# Altium PCB H204_.PcbDoc (part 1 of 4) (continued)
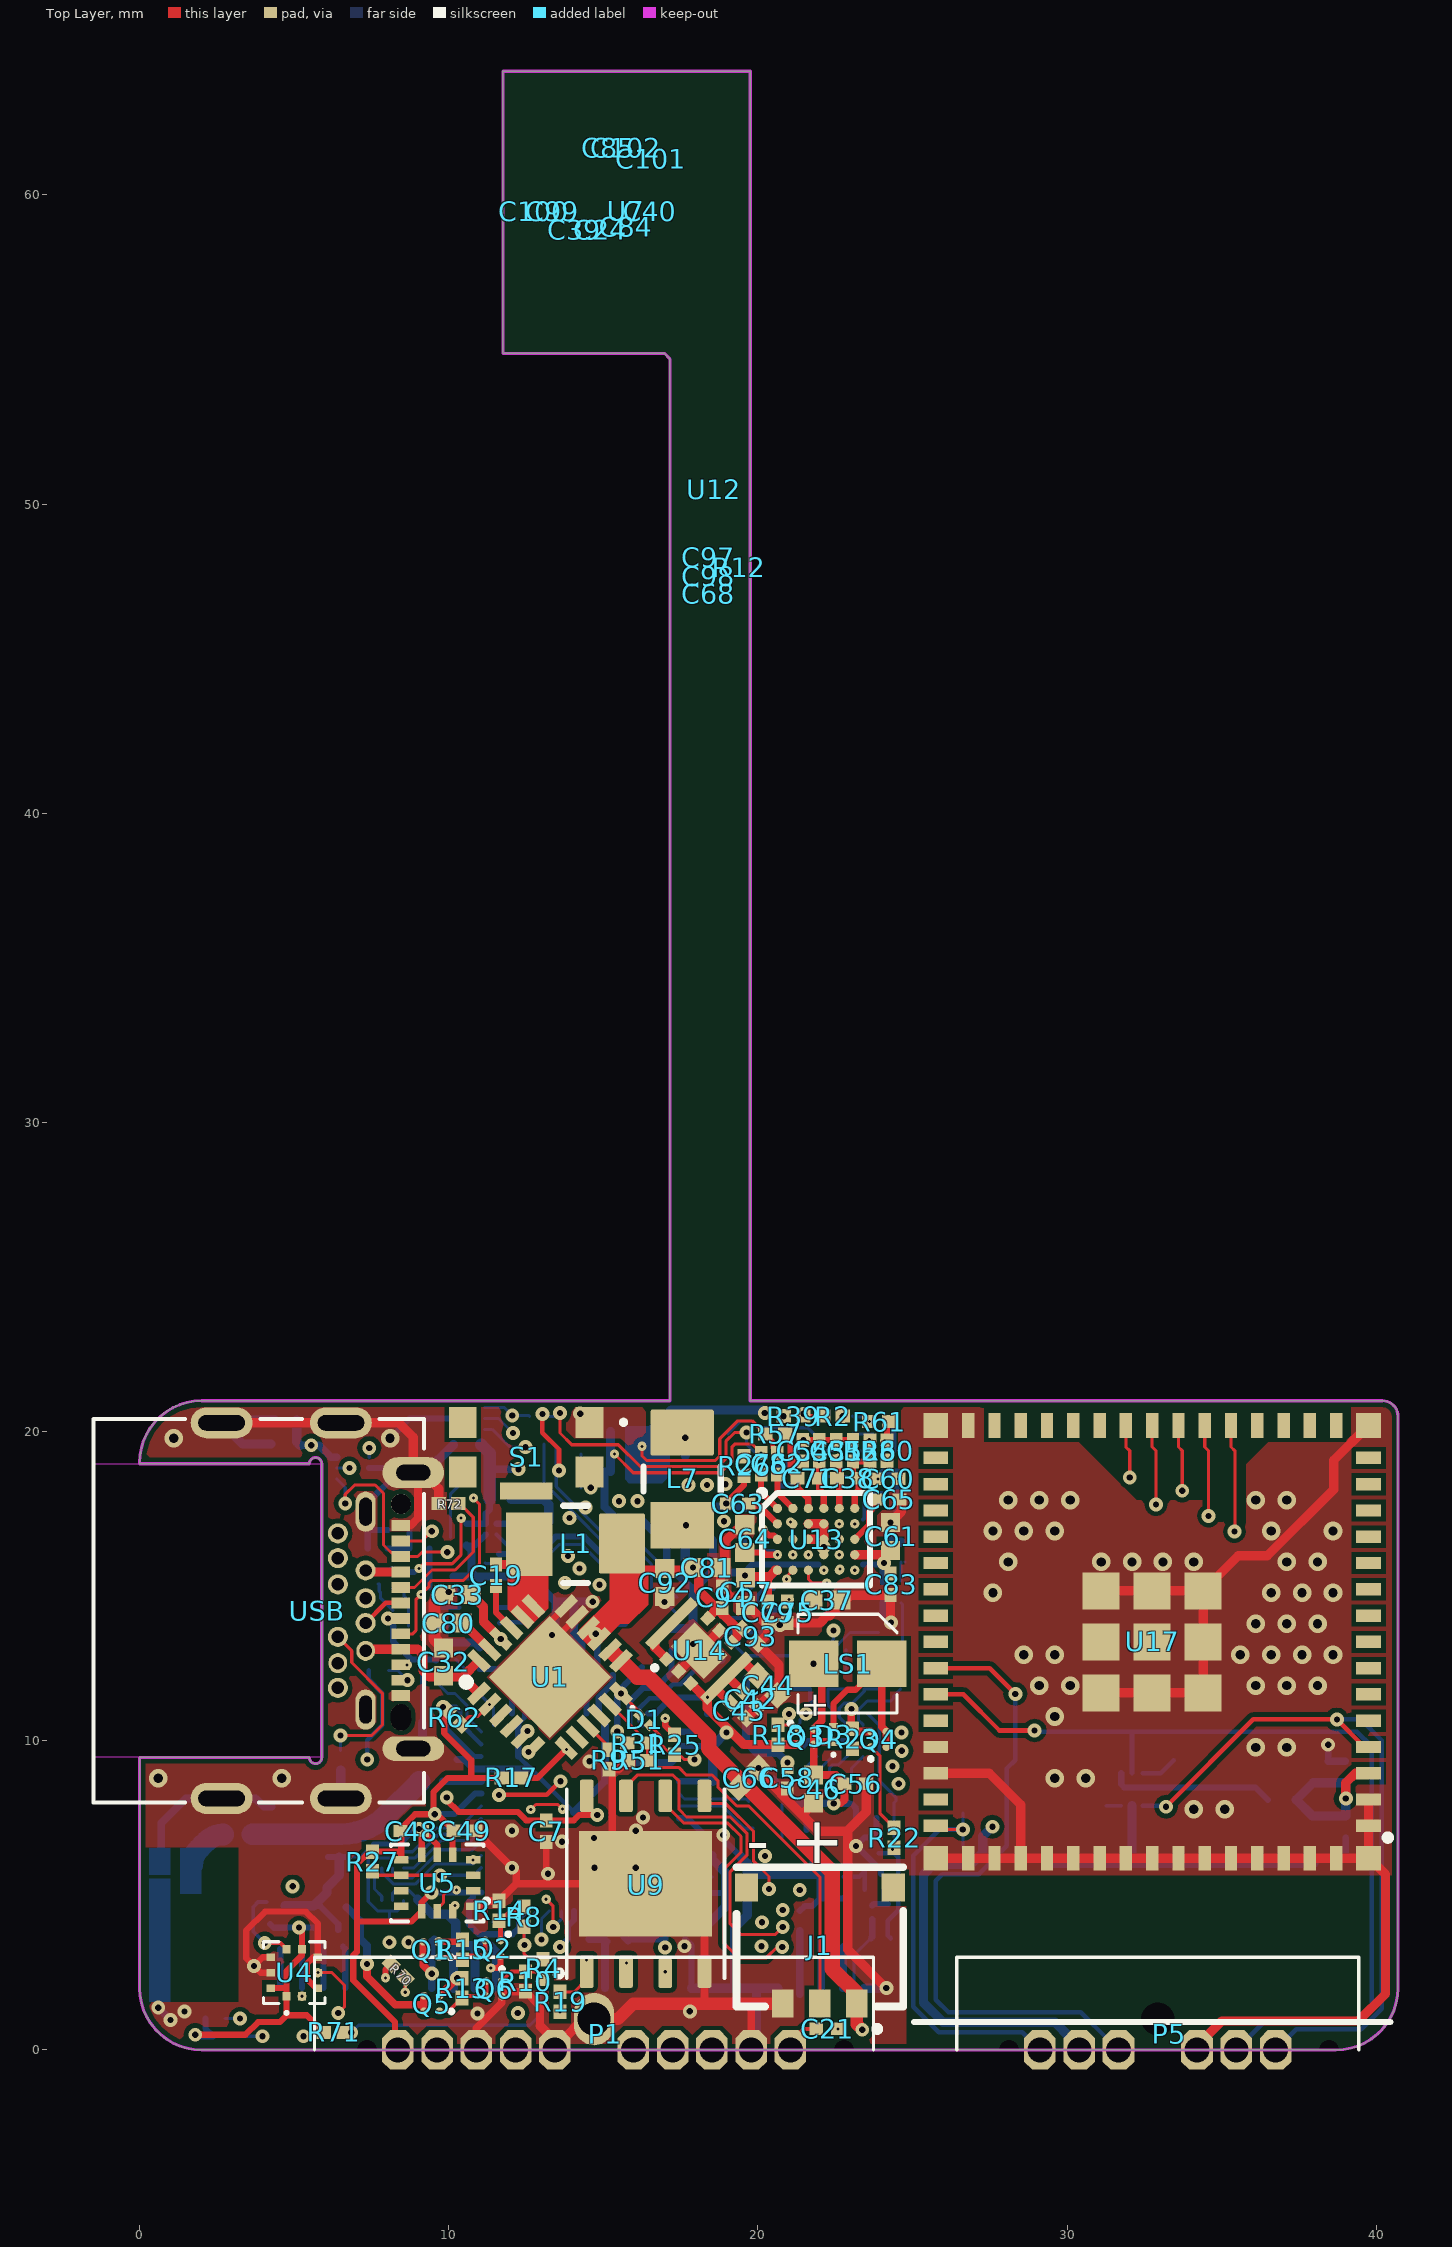
[diagram p0: Top Layer view]
## Footprints (in the part's own frame and the unit in brackets; to place one, negate y for a bottom-side part, rotate by r counter-clockwise, add the part's x,y. Pads: shape width x height; smd on the part's side, far side on the other; paste and mask are expansions set on the pad) (continued)
  rect 0.8x0.3 smd: 1(-2,1.25) 2(-2,0.75) 3(-2,0.25) 4(-2,-0.25) 5(-2,-0.75) 6(-2,-1.25) 13(2,-1.25) 14(2,-0.75) 15(2,-0.25) 16(2,0.25) 17(2,0.75) 18(2,1.25)
  rect 0.3x0.8 smd: 7(-1.25,-2) 8(-0.75,-2) 9(-0.25,-2) 10(0.25,-2) 11(0.75,-2) 12(1.25,-2) 19(1.25,2) 20(0.75,2) 21(0.25,2) 22(-0.25,2) 23(-0.75,2) 24(-1.25,2)
  rect 2.8x2.8 smd: 25(0,0)
  silkscreen extent -2.15,1.68 -1.9,1.93, body extent -2,-2 2,2, height 0.8
QG-2864TMBEG01 [mm]
  rect 0.4x2 smd: 1(-10.15,0.3) 2(-9.45,0.3) 3(-8.75,0.3) 4(-8.05,0.3) 5(-7.35,0.3) 6(-6.65,0.3) 7(-5.95,0.3) 8(-5.25,0.3) 9(-4.55,0.3) 10(-3.85,0.3) 11(-3.15,0.3) 12(-2.45,0.3) 13(-1.75,0.3) 14(-1.05,0.3) 15(-0.35,0.3) 16(0.35,0.3) 17(1.05,0.3) 18(1.75,0.3) 19(2.45,0.3) 21(3.85,0.3) 22(4.55,0.3) 23(5.25,0.3) 24(5.95,0.3) 25(6.65,0.3) 26(7.35,0.3) 27(8.05,0.3) 28(8.75,0.3) 29(9.45,0.3) 30(10.15,0.3)
  rect 0.4x1.9 smd: 20(3.15,0.35)
  silkscreen extent -11,-1.74 11,6.4
RESC0603X26N#1 [mm] "Chip Resistor, EIA 0201, Metric 0603, Body 0,60x0,30mm, IPC Medium Density"
  rect 0.47x0.42 smd: 1(-0.32,0) 2(0.32,0)
  body extent -0.32,-0.17 0.32,0.17, height 0.26
RESC0603X26N#2 [mm] "Chip Resistor, EIA 0201, Metric 0603, Body 0,60x0,30mm, IPC Medium Density"
  rect 0.47x0.42 on Mid1: 1(-0.32,0) 2(0.32,0)
  body extent -0.31,-0.16 0.32,0.17, height 0.26
RESC0603X26N#3 [mm] "Chip Resistor, EIA 0201, Metric 0603, Body 0,60x0,30mm, IPC Medium Density"
  rrect10% 0.47x0.42 smd: 1(-0.32,0)
  rect 0.47x0.42 smd: 2(0.32,0)
  body extent -0.31,-0.17 0.32,0.16, height 0.26
SIT1533AIH4DCC32768E [mm]
  rect 0.7x1.4 smd: 1(-0.75,0) 3(0.75,0)
  rect 0.2x0.5 smd: 2(-0.1,-0.45) 4(0.1,0.45)
  silkscreen extent -1.45,-0.6 0.3,0.6, body extent -1,-0.6 1,0.6, height 0.6
SMT0340TR [mm]
  rect 1.5x1.6 smd: 1(0,1.1) 2(0,-1.1)
  silkscreen extent -1.6,-1.6 1.6,1.6, body extent -1.6,-1.75 1.6,1.75, height 2.1
SON35P100X100X40-6N [mm]
  rect 0.35x0.17 smd: 1(-0.525,0.35) 2(-0.525,0) 3(-0.525,-0.35) 4(0.525,-0.35) 5(0.525,0) 6(0.525,0.35)
  silkscreen extent -0.67,0.67 -0.57,0.77, body extent -0.5,-0.5 0.5,0.5, height 0.5
SON65P200X200X80-7N [mm]
  rect 0.6x0.35 on Mid1: 1(-1.05,-0.65) 2(-1.05,0) 3(-1.05,0.65) 4(1.05,0.65) 5(1.05,0) 6(1.05,-0.65)
  rect 1.1x1.7 on Mid1 paste-2 mask-2: 7(0,0)
  body extent -1.05,-1 1.05,1, height 0.8
SON127P500X600X80-9N [mm]
  rrect25% 1.04x0.44 smd: 1(-2.845,1.905) 2(-2.845,0.635) 4(-2.845,-1.905) 5(2.845,-1.905) 6(2.845,-0.635) 7(2.845,0.635) 8(2.845,1.905)
  rrect25% 0.94x0.44 smd: 3(-2.895,-0.635)
  rect 3.4x4.3 smd paste-3: 9(0,0)
  silkscreen extent -3.05,-2.55 3.05,2.91, body extent -3.05,-2.54 3.05,2.54, height 0.8
TE_2129691-1 [mm]
  rect 0.35x0.6 smd: A1(-2.75,4.6) A2(-2.25,4.6) A3(-1.75,4.6) A4(-1.25,4.6) A5(-0.75,4.6) A6(-0.25,4.6) A7(0.25,4.6) A8(0.75,4.6) A9(1.25,4.6) A10(1.75,4.6) A11(2.25,4.6) A12(2.75,4.6)
  oval 1.3x0.65 hole 0.4 slot 0.9 at 0 deg: B1(3.2,3.46) B12(-3.2,3.46)
  round 0.65 hole 0.4: B2(2.5,2.56) B5(0.85,2.56) B6(0.4,3.46) B7(-0.4,3.46) B8(-0.85,2.56) B9(-1.3,3.46) B10(-1.7,2.56) B11(-2.5,2.56)
  oval 0.65x0.6 hole 0.4: B3(1.7,2.56) B4(1.3,3.46)
  oval 1x2 hole 0.5 slot 1.5 at 90 deg: SH(-6.075,2.66) SH(-6.075,-1.2) SH(6.075,2.66) SH(6.075,-1.2)
  oval 1x2 hole 0.5 slot 1.1 at 90 deg: SH(-4.465,5)
  oval 0.8x2 hole 0.5 slot 1.1 at 90 deg: SH(4.465,5)
  round 0.65 hole 0.65 unplated: ""(-3.45,4.6)
  oval 0.85x0.65 hole 0.65 slot 0.85 at 0.85 deg unplated: ""(3.45,4.6)
  Keep-Out Layer lines w0.1: 4.75,-3.85 4.75,1.64 ccw(c4.75,1.84) 4.75,2.04 -4.75,2.04 ccw(c-4.75,1.84) -4.75,1.64 -4.75,-3.85
  silkscreen extent -6.2,-5.35 6.2,5.35, body extent -6.17,-5.35 6.18,5.35, height 2.25
XCL206A333CRG [mm]
  rect 0.35x0.375 smd: 1(-0.55,-0.938) 2(0,-0.938) 3(0.55,-0.938) 4(0.55,0.938) 5(0,0.938) 6(-0.55,0.938)
  rect 0.35x2.1 smd: 7(-1.25,0) 8(1.25,0)
  rect 1.5x1.1 smd: 9(0,0)
  silkscreen extent -0.68,-1.46 -0.58,-1.36, body extent -1.25,-1 1.25,1, height 1
XDCR_BMI270 [mm]
  rect 0.475x0.25 smd: 1(-1.162,0.75) 2(-1.162,0.25) 3(-1.162,-0.25) 4(-1.162,-0.75) 8(1.162,-0.75) 9(1.162,-0.25) 10(1.162,0.25) 11(1.162,0.75)
  rect 0.25x0.475 smd: 5(-0.5,-0.913) 6(0,-0.913) 7(0.5,-0.913) 12(0.5,0.913) 13(0,0.913) 14(-0.5,0.913)
  silkscreen extent -1.67,-1.25 1.5,1.25, body extent -1.52,-1.27 1.52,1.27, height 0.8
XTAL_ECS-.327-7-1210-TR [mm]
  rect 0.575x1.14 smd: 1(-0.413,0) 2(0.413,0)
  body extent -0.6,-0.5 0.6,0.5, height 0.35

## Part data
ANT1: library part ANT, "Antennas 2.4GHz CHIP ANTENNA ULTRA MINI 0.37mm", Case/Package=0402, Frequency=2.4GHz, Manufacturer=Johanson, Manufacturer Part Number=2450AT07A0100T, Max Power Dissipation=2W, Package Quantity=10000, Supplier Part Number 1=712-1572-1-ND, Category="RF Antennas", ComponentLink1Description=https://datasheet.ciiva.com/24073/antenna-2450at07a0100-v5-242421-24073130.pdf?src-supplier=Mouser, ComponentLink1URL=https://datasheet.ciiva.com/24073/antenna-2450at07a0100-v5-242421-24073130.pdf?src-supplier=Mouser, Gain=-1.5dB, Height=0.015inch, Impedance=50R, Length=1mm, Mount="Surface Mount", Number of Bands=1, Packaging="Tape and Reel", Power Rating=2W, Pricing 1="1=0,62000, 10=0,54400, 25=0,51160, 100=0,41740, 250=0,38776, 500=0,33000, 1000=0,26400, 2500=0,24750 (USD)", Return Loss=-6.5dB, RoHS=No, RoHS Compliant=No, Series=-, Stock 1=290006, Supplier 1=Digi-Key, Termination=Solder, Width=0.5mm
C1 C2 C4 C10 C11 C21 C25 C27 C28 C29 C31 C35 C60 C63: library part C0402-1µ0, "CAP CER 1UF 6.3V X5R 0201", Case/Package=0201, Case Code (Metric)=0603, Dielectric=X5R, Manufacturer=Samsung, Manufacturer Part Number=CL03A105MQ3CSNC, Max Operating Temperature=85°C, Min Operating Temperature=-55°C, Package Quantity=1, Supplier Part Number 1=1276-1325-1-ND, Tolerance=20%, Voltage Rating=6.3V, Capacitance=1uF, Case Code (Imperial)=0201, Category="Ceramic Capacitors", ComponentLink1Description=https://datasheet.ciiva.com/25786/cl03a105mq3csnc-25786759.pdf?src-supplier=Digi-Key, ComponentLink1URL=https://datasheet.ciiva.com/25786/cl03a105mq3csnc-25786759.pdf?src-supplier=Digi-Key, Depth=0.3mm, Lead Free="Lead Free", Length=0.024inch, Mount="Surface Mount", Packaging="Tape and Reel", Pricing 1="1=0,10000, 10=0,03500, 50=0,01940, 100=0,01580, 500=0,01128, 1000=0,00886, 2500=0,00805, 5000=0,00741 (USD)", RoHS=Yes, RoHS Compliant=Yes, Series=CL, Stock 1=10, Supplier 1=Digi-Key, Thickness=0.013inch, Width=0.012inch
C3 C5 C30 C33 C36 C41 C77 C103: library part C0603-4µ7, "Cap Ceramic 4.7uF 16V X5R 20% SMD 0402 85C T/R", Case/Package=0402, Case Code (Metric)=1005, Manufacturer=Samsung, Manufacturer Part Number=CL05A475MO5NUNC, Max Operating Temperature=85°C, Min Operating Temperature=-55°C, Supplier Part Number 1=1276-6836-1-ND, Tolerance=20%, Voltage Rating=16V, Capacitance=4.7uF, Case Code (Imperial)=0402, Category="Ceramic Capacitors", ComponentLink1Description=http://www.farnell.com/datasheets/2710653.pdf?src-supplier=Farnell, ComponentLink1URL=http://www.farnell.com/datasheets/2710653.pdf?src-supplier=Farnell, ComponentLink2Description=http://www.farnell.com/datasheets/2710653.pdf?src-supplier=Newark, ComponentLink2URL=http://www.farnell.com/datasheets/2710653.pdf?src-supplier=Newark, ComponentLink3Description=http://www.samsungsem.com/kr/support/product-search/mlcc/CL05A475MO5NUNC.jsp?src-supplier=Digi-Key, ComponentLink3URL=http://www.samsungsem.com/kr/support/product-search/mlcc/CL05A475MO5NUNC.jsp?src-supplier=Digi-Key, Length=0.039inch, Mount="Surface Mount", Packaging="Tape and Reel", Pricing 1="1=0,51000, 10=0,35100, 50=0,24600, 100=0,21090, 500=0,15814, 1000=0,13355, 2500=0,12652, 5000=0,11949 (USD)", RoHS=Yes, RoHS Compliant=Yes, Stock 1=298882, Supplier 1=Digi-Key, Thickness=0.022inch, Width=0.02inch
C6 C7 C9 C12 C13 C14 C15 C16 C17 C18 C23 C47 C48 C49 C50 C55 C56 C58 C59 C62 C68 C69 C70 C75 C79 C83 C84 C85 C90 C91 C104 C105: library part C0201-100n, "CAP CER 0.1UF 16V X5R 0201", Capacitance=100nF, Case/Package=0201, Case Code (Metric)=0603, Dielectric=X5R, Manufacturer=Samsung, Manufacturer Part Number=CL03A104KO3NNNC, Max Operating Temperature=85°C, Min Operating Temperature=-55°C, Package Quantity=1, Supplier Part Number 1=1276-1319-1-ND, Tolerance=10%, Voltage Rating=16V, Case Code (Imperial)=0201, Category="Ceramic Capacitors", ComponentLink1Description=https://datasheet.ciiva.com/25794/cl03a104ko3nnnc-25794320.pdf?src-supplier=Digi-Key, ComponentLink1URL=https://datasheet.ciiva.com/25794/cl03a104ko3nnnc-25794320.pdf?src-supplier=Digi-Key, ComponentLink2Description=https://datasheet.ciiva.com/26838/getdatasheetpartid-359638-26838082.pdf?src-supplier=Verical, ComponentLink2URL=https://datasheet.ciiva.com/26838/getdatasheetpartid-359638-26838082.pdf?src-supplier=Verical, Construction=Flat, Contact Plating=Tin, Depth=0.3mm, Height=0.3mm, Length=0.6mm, Mount="Surface Mount", Packaging="Tape and Reel", Pricing 1="1=0,12000, 10=0,08500, 50=0,04640, 100=0,03790, 500=0,02704, 1000=0,02125, 2500=0,01932, 5000=0,01777 (USD)", Radiation Hardening=No, RoHS=Yes, RoHS Compliant=Yes, Series=CL, Stock 1=1005663, Supplier 1=Digi-Key, Thickness=0.013inch, Voltage Rating (DC)=16V, Width=0.012inch
C8: library part C0201-2n2, "CAP CER 2200PF 10V X7R 0201", Case/Package=0201, Case Code (Metric)=0603, Dielectric=X7R, Manufacturer=Samsung, Manufacturer Part Number=CL03B222KP3NNNC, Max Operating Temperature=125°C, Min Operating Temperature=-55°C, Package Quantity=1, Supplier Part Number 1=1276-1349-1-ND, Tolerance=10%, Voltage Rating=10V, Capacitance=2.2nF, Case Code (Imperial)=0201, Category="Ceramic Capacitors", ComponentLink1Description=https://datasheet.ciiva.com/25804/cl03b222kp3nnnc-25804544.pdf?src-supplier=Digi-Key, ComponentLink1URL=https://datasheet.ciiva.com/25804/cl03b222kp3nnnc-25804544.pdf?src-supplier=Digi-Key, Construction=Flat, Depth=0.3mm, Height=0.3mm, Lead Free="Lead Free", Length=0.6mm, Mount="Surface Mount", Packaging="Tape and Reel", Pricing 1="1=0,11000, 10=0,07600, 50=0,04340, 100=0,03590, 500=0,02516, 1000=0,02083, 2500=0,01939, 5000=0,01774 (USD)", Radiation Hardening=No, RoHS=Yes, RoHS Compliant=Yes, Series=CL, Stock 1=135845, Supplier 1=Digi-Key, Thickness=0.013inch, Voltage Rating (DC)=10V, Width=0.012inch
C19 C76 C82: library part C0402-100n, "CAP CER 0.047UF 25V X5R 0201", Case/Package=0201, Case Code (Metric)=0603, Dielectric=X5R, Dielectric Material=Ceramic, Manufacturer=TDK, Manufacturer Part Number=C0603X5R1E473K030BB, Max Operating Temperature=85°C, Min Operating Temperature=-55°C, Package Quantity=15000, Supplier Part Number 1=445-13679-1-ND, Tolerance=10%, Voltage Rating=25V, Capacitance=47nF, Case Code (Imperial)=0201, Category="Ceramic Capacitors", ComponentLink1Description=https://datasheet.ciiva.com/14887/tdkmlcccaprange-14887813.pdf?src-supplier=Digi-Key, ComponentLink1URL=https://datasheet.ciiva.com/14887/tdkmlcccaprange-14887813.pdf?src-supplier=Digi-Key, ComponentLink2Description=https://datasheet.ciiva.com/14887/tdkmlcccaprange-14887815.pdf?src-supplier=Digi-Key, ComponentLink2URL=https://datasheet.ciiva.com/14887/tdkmlcccaprange-14887815.pdf?src-supplier=Digi-Key, ComponentLink3Description=https://datasheet.ciiva.com/14887/tdkmlcccaprange-14887817.pdf?src-supplier=Digi-Key, ComponentLink3URL=https://datasheet.ciiva.com/14887/tdkmlcccaprange-14887817.pdf?src-supplier=Digi-Key, Height=0.3mm, Lead Free="Lead Free", Length=0.024inch, Mount="Surface Mount", Packaging="Tape and Reel", Pricing 1="1=0,10000, 10=0,07600, 50=0,04140, 100=0,03380, 500=0,02416, 1000=0,01898, 2500=0,01725, 5000=0,01587 (USD)", RoHS=Yes, RoHS Compliant=Yes, Series=C, Stock 1=131887, Supplier 1=Digi-Key, Termination=SMD/SMT, Thickness=0.013inch, Voltage Rating (DC)=25V, Weight=6E-06oz, Width=0.3mm
C20: library part C0201-0.7p, "Multilayer Ceramic Capacitors MLCC - SMD/SMT 0201 0.7pF 25volts C0G +/-0.1pF", Case/Package=0201, Case Code (Metric)=0603, Dielectric=C0G, Manufacturer=Murata, Manufacturer Part Number=GRM0335C1ER70BA01D, Max Operating Temperature=125°C, Min Operating Temperature=-55°C, Package Quantity=15000, Supplier Part Number 1=490-11307-1-ND, Voltage Rating=25V, Capacitance=0.7pF, Case Code (Imperial)=0201, Category="Ceramic Capacitors", Component Class=Capacitors, ComponentLink1Description=https://datasheet.ciiva.com/29538/partnumbering-e-01-29538603.pdf?src-supplier=Digi-Key, ComponentLink1URL=https://datasheet.ciiva.com/29538/partnumbering-e-01-29538603.pdf?src-supplier=Digi-Key, Footprint Doc=0201, Height=0.3mm, Length=0.024inch, Mount="Surface Mount", Packaging="Tape and Reel", Pad Count=2, Part Number=C0201-0.7p, Pricing 1="1=0,10000, 10=0,02000, 50=0,01100, 100=0,00900, 500=0,00644, 1000=0,00506, 2500=0,00460, 5000=0,00423 (USD)", RoHS=Yes, RoHS Compliant=Yes, Series=GRM, Stock 1=47212, Supplier 1=Digi-Key, Termination=SMD/SMT, Thickness=0.013inch, Voltage Rating (DC)=25V, Width=0.012inch
C22 C32 C44 C46 C66: library part C0603-4µ7, "CAP CER 22UF 6.3V X5R 0402", Case/Package=0402, Case Code (Metric)=1005, Manufacturer=Samsung, Manufacturer Part Number=CL05A226MQ5QUNC, Max Operating Temperature=85°C, Min Operating Temperature=-55°C, Supplier Part Number 1=1276-6834-1-ND, Tolerance=20%, Voltage Rating=6.3V, Capacitance=22uF, Case Code (Imperial)=0402, Category="Ceramic Capacitors", ComponentLink1Description=http://www.samsungsem.com/kr/support/product-search/mlcc/__icsFiles/afieldfile/2018/08/20/Data%20sheet_CL05A226MQ5QUNC.pdf?src-supplier=Digi-Key, ComponentLink1URL=http://www.samsungsem.com/kr/support/product-search/mlcc/__icsFiles/afieldfile/2018/08/20/Data%20sheet_CL05A226MQ5QUNC.pdf?src-supplier=Digi-Key, Length=0.039inch, Mount="Surface Mount", Packaging="Tape and Reel", Pricing 1="1=0,60000, 10=0,42200, 50=0,31940, 100=0,27820, 500=0,20608, 1000=0,17517, 2500=0,16486, 5000=0,15456 (USD)", RoHS=Yes, RoHS Compliant=Yes, Stock 1=587155, Supplier 1=Digi-Key, Thickness=0.022inch, Width=0.02inch
C24 C37 C39 C40 C45 C57 C61 C67 C80 C81 C86 C87 C92 C106: library part C0603-4µ7, "CAP CER 10UF 10V X5R 0402", Case/Package=0402, Case Code (Metric)=1005, Manufacturer=Samsung, Manufacturer Part Number=CL05A106MP8NUB8, Max Operating Temperature=85°C, Min Operating Temperature=-55°C, Supplier Part Number 1=1276-6830-2-ND, Tolerance=20%, Voltage Rating=10V, Capacitance=10uF, Case Code (Imperial)=0402, Category="Ceramic Capacitors", ComponentLink1Description=http://www.samsungsem.com/kr/support/product-search/mlcc/CL05A106MP8NUB8.jsp?src-supplier=Digi-Key, ComponentLink1URL=http://www.samsungsem.com/kr/support/product-search/mlcc/CL05A106MP8NUB8.jsp?src-supplier=Digi-Key, Length=0.039inch, Mount="Surface Mount", Packaging="Tape and Reel", Pricing 1="8000=0,08247 (USD)", RoHS=Yes, RoHS Compliant=Yes, Stock 1=5635891, Supplier 1=Digi-Key, Thickness=0.035inch, Width=0.02inch
C26: library part C0402-1.5p, "Capacitor, NP0, ±0.1pF"
C34 C42 C65 C88 C93 C95 C97 C99 C101: library part C0402-100n, "Cap Ceramic 0.001uF 25V X7R 10% SMD 0201 125C Paper T/R", Case/Package=0201, Case Code (Metric)=0603, Dielectric=X7R, Manufacturer=Samsung, Manufacturer Part Number=CL03B102KA3NNNC, Max Operating Temperature=125°C, Min Operating Temperature=-55°C, Package Quantity=1, Supplier Part Number 1=1276-1341-1-ND, Tolerance=10%, Voltage Rating=25V, Capacitance=1nF, Case Code (Imperial)=0201, Category="Ceramic Capacitors", ComponentLink1Description=https://datasheet.ciiva.com/25788/cl03b102ka3nnnc-25788656.pdf?src-supplier=Digi-Key, ComponentLink1URL=https://datasheet.ciiva.com/25788/cl03b102ka3nnnc-25788656.pdf?src-supplier=Digi-Key, ComponentLink2Description=https://datasheet.ciiva.com/26838/getdatasheetpartid-355161-26838110.pdf?src-supplier=Verical, ComponentLink2URL=https://datasheet.ciiva.com/26838/getdatasheetpartid-355161-26838110.pdf?src-supplier=Verical, Construction=Flat, Contact Plating=Tin, Depth=0.3mm, Height=0.3mm, Length=0.6mm, Mount="Surface Mount", Packaging="Tape and Reel", Pricing 1="1=0,13000, 10=0,08900, 50=0,05080, 100=0,04200, 500=0,02946, 1000=0,02439, 2500=0,02270, 5000=0,02077 (USD)", Radiation Hardening=No, RoHS=Yes, RoHS Compliant=Yes, Series=CL, Stock 1=1034478, Supplier 1=Digi-Key, Thickness=0.013inch, Width=0.012inch
C38 C71: library part C0402-100n, "Cap Ceramic Monolithic 47pF 50VDC 1% SMD Paper T/R", Manufacturer=Murata, Manufacturer Part Number=GRM0335C1H470FA01D, Supplier Part Number 1=490-GRM0335C1H470FA01DCT-ND, Category="Ceramic Capacitors", Pricing 1="1=0,10000, 10=0,02200, 50=0,01180, 100=0,00960, 500=0,00688, 1000=0,00541, 2500=0,00492, 5000=0,00452 (USD)", RoHS=Yes, RoHS Compliant=Yes, Stock 1=73266, Supplier 1=Digi-Key
C43 C74 C89 C94 C96 C98 C100 C102: library part C0402-100n, "CAP CER 100PF 50V C0G 0201", Case/Package=0201, Case Code (Metric)=0603, Dielectric=C0G, Dielectric Material=Ceramic, Insulation Resistance=10GR, Manufacturer=TDK, Manufacturer Part Number=C0603C0G1H101J030BA, Max Operating Temperature=125°C, Min Operating Temperature=-55°C, Package Quantity=1, Supplier Part Number 1=445-1786-1-ND, Tolerance=5%, VOLTAGE=50V, Capacitance=100pF, Case Code (Imperial)=0201, Category="Ceramic Capacitors", ComponentLink1Description=https://datasheet.ciiva.com/24217/c0603c0g1h101j030ba-264106-24217425.pdf?src-supplier=Mouser, ComponentLink1URL=https://datasheet.ciiva.com/24217/c0603c0g1h101j030ba-264106-24217425.pdf?src-supplier=Mouser, ComponentLink2Description=https://datasheet.ciiva.com/16205/mlcc-commercial-general-en-16205590.pdf?src-supplier=Future+Electronics, ComponentLink2URL=https://datasheet.ciiva.com/16205/mlcc-commercial-general-en-16205590.pdf?src-supplier=Future+Electronics, ComponentLink3Description=https://datasheet.ciiva.com/6250/tdkmlcccaprange-6250351.pdf?src-supplier=Digi-Key, ComponentLink3URL=https://datasheet.ciiva.com/6250/tdkmlcccaprange-6250351.pdf?src-supplier=Digi-Key, Construction=Flat, Depth=0.3mm, Height=0.3mm, Lead Free="Lead Free", Length=0.6mm, Mount="Surface Mount", Number of Pins=2, Packaging="Tape and Reel", Pricing 1="1=0,10000, 10=0,06800, 50=0,03720, 100=0,03040, 500=0,02174, 1000=0,01708, 2500=0,01552, 5000=0,01428 (USD)", REACH SVHC=Unknown, RoHS=Yes, RoHS Compliant=Yes, Series=C, Stock 1=312493, Supplier 1=Digi-Key, Termination=SMD/SMT, Thickness=0.013inch, Voltage Rating=50V, Voltage Rating (DC)=50V, Weight=6E-06oz, Width=0.012inch
C51 C52 C53 C54: library part C0402-100n, "MURATA - GRM0335C1H100JA01D - SMD Multilayer Ceramic Capacitor, 10 pF, 50 V, 0201 [0603 Metric], ± 5%, C0G / NP0, GRM Series", Case/Package=0201, Case Code (Metric)=0603, Dielectric=C0G, Manufacturer=Murata, Manufacturer Part Number=GRM0335C1H100JA01D, Max Operating Temperature=125°C, Min Operating Temperature=-55°C, Package Quantity=15000, Supplier Part Number 1=490-6112-1-ND, Tolerance=5%, VOLTAGE=50V, Capacitance=10pF, Case Code (Imperial)=0201, Category="Ceramic Capacitors", ComponentLink1Description=https://datasheet.ciiva.com/6271/partnumbering-e-01-6271173.pdf?src-supplier=Digi-Key, ComponentLink1URL=https://datasheet.ciiva.com/6271/partnumbering-e-01-6271173.pdf?src-supplier=Digi-Key, ComponentLink2Description=https://datasheet.ciiva.com/6271/partnumbering-e-01-6271176.pdf?src-supplier=Digi-Key, ComponentLink2URL=https://datasheet.ciiva.com/6271/partnumbering-e-01-6271176.pdf?src-supplier=Digi-Key, ComponentLink3Description=https://datasheet.ciiva.com/6271/partnumbering-e-01-6271177.pdf?src-supplier=Digi-Key, ComponentLink3URL=https://datasheet.ciiva.com/6271/partnumbering-e-01-6271177.pdf?src-supplier=Digi-Key, Depth=0.3mm, Height=0.3mm, Lead Free="Lead Free", Length=0.6mm, Mount="Surface Mount", Packaging="Tape and Reel", Pricing 1="1=0,10000, 10=0,01100, 50=0,00620, 100=0,00510, 500=0,00362, 1000=0,00285, 2500=0,00259, 5000=0,00238 (USD)", REACH SVHC="No SVHC", RoHS=Yes, RoHS Compliant=Yes, Series=GRM, Stock 1=536566, Supplier 1=Digi-Key, Termination=SMD/SMT, Thickness=0.013inch, Voltage Rating=50V, Voltage Rating (DC)=50V, Width=0.3mm
C64: library part C0603-4µ7, "Cap Ceramic Monolithic 15uF 6.3VDC 20% SMD Paper T/R", Manufacturer=Murata, Manufacturer Part Number=GRM155R60J156ME05D, Supplier Part Number 1=490-18659-1-ND, Category="Ceramic Capacitors", Pricing 1="1=0,28000, 10=0,19500, 50=0,13020, 100=0,11070, 500=0,07810, 1000=0,06834, 2500=0,06509, 5000=0,06021 (USD)", RoHS=Yes, RoHS Compliant=Yes, Stock 1=130616, Supplier 1=Digi-Key
C72 C73: library part C0603-1µ0, "Cap Ceramic 1uF 16V X5R 20% Pad SMD 0201 85C T/R", Case/Package=0201, Case Code (Metric)=0603, Manufacturer=Samsung, Manufacturer Part Number=CL03A105MO3NRNH, Max Operating Temperature=85°C, Min Operating Temperature=-55°C, Supplier Part Number 1=1276-6798-1-ND, Tolerance=20%, Voltage Rating=16V, Capacitance=1uF, Case Code (Imperial)=0201, Category="Ceramic Capacitors", ComponentLink1Description=http://www.samsungsem.com/kr/support/product-search/mlcc/CL03A105MO3NRNH.jsp?src-supplier=Digi-Key, ComponentLink1URL=http://www.samsungsem.com/kr/support/product-search/mlcc/CL03A105MO3NRNH.jsp?src-supplier=Digi-Key, Length=0.024inch, Mount="Surface Mount", Packaging="Tape and Reel", Pricing 1="1=0,28000, 10=0,19300, 50=0,11600, 100=0,09790, 500=0,06698, 1000=0,05925, 2500=0,05667, 5000=0,05152 (USD)", RoHS=Yes, RoHS Compliant=Yes, Stock 1=1363872, Supplier 1=Digi-Key, Thickness=0.013inch, Width=0.012inch
C78: library part C0201-N.C., "Not mounted"
D1 D3: library part Schottky, "ON SEMICONDUCTOR - NSR01L30NXT5G - Small Signal Schottky Diode, Single, 30 V, 100 mA, 530 mV, 4 A, 150 °C", Average Rectified Current=100mA, Case/Package=0201, Forward Voltage=530mV, Manufacturer="ON Semiconductor", Max Forward Surge Current (Ifsm)=4A, Max Operating Temperature=150°C, Max Repetitive Reverse Voltage (Vrrm)=30V, Max Reverse Current=3uA, Package Quantity=5000, Supplier Part Number 1=NSR01L30NXT5GOSCT-ND, Category="Schottky Diodes", ComponentLink1Description=https://datasheet.ciiva.com/4714/nsr01l30-d-118977-4714835.pdf?src-supplier=Mouser, ComponentLink1URL=https://datasheet.ciiva.com/4714/nsr01l30-d-118977-4714835.pdf?src-supplier=Mouser, ComponentLink2Description=https://datasheet.ciiva.com/22659/nsr01l30-d-22659110.pdf?src-supplier=Element14, ComponentLink2URL=https://datasheet.ciiva.com/22659/nsr01l30-d-22659110.pdf?src-supplier=Element14, ComponentLink3Description=https://datasheet.ciiva.com/8293/nsr01l30-d-8293831.pdf?src-supplier=Avnet, ComponentLink3URL=https://datasheet.ciiva.com/8293/nsr01l30-d-8293831.pdf?src-supplier=Avnet, ComponentLink4Description=https://datasheet.ciiva.com/6381/nsr01l30-d-6381900.pdf?src-supplier=Digi-Key, ComponentLink4URL=https://datasheet.ciiva.com/6381/nsr01l30-d-6381900.pdf?src-supplier=Digi-Key, Element Configuration=Single, Forward Current=100mA, Lead Free="Lead Free", Manufacturer Part Number=NSR01L30NXT5G, Max Reverse Voltage (DC)=30V, Number of Pins=2, Packaging="Tape and Reel", Peak Non-Repetitive Surge Current=4A, Pricing 1="1=0,43000, 10=0,32300, 100=0,20140, 500=0,13780, 1000=0,10600, 2000=0,09540 (USD)", Radiation Hardening=No, REACH SVHC="No SVHC", RoHS=Yes, RoHS Compliant=Yes, Series=-, Stock 1=38186, Supplier 1=Digi-Key
DS1: library part OLED, "Header, 20-Pin"
FL1: "ON SEMICONDUCTOR - EMI2121MTTAG - Common Mode Filter, USB 2.0, WDFN-8", Capacitance=1.3pF, Current=100mA, DC Resistance (DCR)=8R, Manufacturer="ON Semiconductor", Max Operating Temperature=85°C, Min Operating Temperature=-40°C, Package Quantity=1, Supplier Part Number 1=EMI2121MTTAGOSCT-ND, Voltage Rating=9V, Assembly=Rechargeable, Category="Common Mode Chokes", ComponentLink1Description=https://datasheet.ciiva.com/6214/emi2121mt-d-6214625.pdf?src-supplier=Digi-Key, ComponentLink1URL=https://datasheet.ciiva.com/6214/emi2121mt-d-6214625.pdf?src-supplier=Digi-Key, ComponentLink2Description=https://datasheet.ciiva.com/12394/emi2121mt-d-72518-12394918.pdf?src-supplier=Mouser, ComponentLink2URL=https://datasheet.ciiva.com/12394/emi2121mt-d-72518-12394918.pdf?src-supplier=Mouser, ComponentLink3Description=https://datasheet.ciiva.com/3067/emi2121mt-d-3067884.pdf?src-supplier=Avnet, ComponentLink3URL=https://datasheet.ciiva.com/3067/emi2121mt-d-3067884.pdf?src-supplier=Avnet, ComponentLink4Description=https://datasheet.ciiva.com/6214/emi2121mt-d-6214619.pdf?src-supplier=Digi-Key, ComponentLink4URL=https://datasheet.ciiva.com/6214/emi2121mt-d-6214619.pdf?src-supplier=Digi-Key, ComponentLink5Description=https://datasheet.ciiva.com/15162/getdatasheetpartid-686641-15162525.pdf?src-supplier=Verical, ComponentLink5URL=https://datasheet.ciiva.com/15162/getdatasheetpartid-686641-15162525.pdf?src-supplier=Verical, ComponentLink6Description=https://datasheet.ciiva.com/16437/emi2121mt-d-16437709.pdf?src-supplier=Future+Electronics, ComponentLink6URL=https://datasheet.ciiva.com/16437/emi2121mt-d-16437709.pdf?src-supplier=Future+Electronics, ComponentLink7Description=https://datasheet.ciiva.com/6214/emi2121mt-d-6214622.pdf?src-supplier=Digi-Key, ComponentLink7URL=https://datasheet.ciiva.com/6214/emi2121mt-d-6214622.pdf?src-supplier=Digi-Key, Current Rating=100mA, DC Resistance-Max=8R, Depth=2mm, Direction=Bidirectional, ESD Protection=Yes, Halogen Free="Halogen Free", Height=0.031inch, Lead Free="Lead Free", Length=2.2mm, Manufacturer Part Number=EMI2121MTTAG, Max Current Rating=100mA, Max DC Current=100mA, Number of Lines=3, Number of Pins=8, Packaging="Tape and Reel", Pricing 1="1=1,01000, 10=0,89900, 25=0,85320, 100=0,70090, 250=0,65520, 500=0,57902, 1000=0,50312 (USD)", REACH SVHC="No SVHC", RoHS=Yes, RoHS Compliant=Yes, Series=-, Stock 1=14076, Supplier 1=Digi-Key, Termination=Flat, Width=0.079inch
J1: "Conn Wire to Board HDR 3 POS 1.2mm Solder ST SMD Embossed T/R", Contact Resistance=20mR, Current Rating=1.5A, Housing Color=Black, Manufacturer=Molex, Max Operating Temperature=85°C, Max Voltage Rating (AC)=50V, Max Voltage Rating (DC)=5.05kV, Min Operating Temperature=-25°C, Mouser Part Number=538-78171-0003, Package Quantity=4500, Supplier Part Number 1=WM5409CT-ND, Category="Headers and Wire Housings", ComponentLink1Description=https://datasheet.ciiva.com/22680/1701259-22680435.pdf?src-supplier=Element14, ComponentLink1URL=https://datasheet.ciiva.com/22680/1701259-22680435.pdf?src-supplier=Element14, ComponentLink2Description=https://datasheet.ciiva.com/5152/0781710003-pcb-headers-152538-5152745.pdf?src-supplier=Mouser, ComponentLink2URL=https://datasheet.ciiva.com/5152/0781710003-pcb-headers-152538-5152745.pdf?src-supplier=Mouser, ComponentLink3Description=https://datasheet.ciiva.com/11746/0900766b80dca492-11746471.pdf?src-supplier=RSComponents, ComponentLink3URL=https://datasheet.ciiva.com/11746/0900766b80dca492-11746471.pdf?src-supplier=RSComponents, ComponentLink4Description=https://datasheet.ciiva.com/16108/16720781710003-pcb-headers-16108033.pdf?src-supplier=Onlinecomponents.com, ComponentLink4URL=https://datasheet.ciiva.com/16108/16720781710003-pcb-headers-16108033.pdf?src-supplier=Onlinecomponents.com, ComponentLink5Description=https://datasheet.ciiva.com/30073/92470781710003-pcb-headers-30073464.pdf?src-supplier=Onlinecomponents.com, ComponentLink5URL=https://datasheet.ciiva.com/30073/92470781710003-pcb-headers-30073464.pdf?src-supplier=Onlinecomponents.com, ComponentLink6Description=https://datasheet.ciiva.com/10088/0781710003-pcb-headers-10088254.pdf?src-supplier=Avnet, ComponentLink6URL=https://datasheet.ciiva.com/10088/0781710003-pcb-headers-10088254.pdf?src-supplier=Avnet, ComponentLink7Description=https://datasheet.ciiva.com/16737/0781710003-pcb-headers-16737007.pdf?src-supplier=Avnet+Europe, ComponentLink7URL=https://datasheet.ciiva.com/16737/0781710003-pcb-headers-16737007.pdf?src-supplier=Avnet+Europe, Contact Gender=Male, Contact Material="Copper Alloy,Copper", Contact Plating=Gold, Datasheet Link=http://docs-emea.rs-online.com/webdocs/150e/0900766b8150e2fd.pdf, Depth=4.5mm, Gender=Male, Glow Wire Compliant=Non-compliant, Halogen Free="Low Halogen", Housing Material=Polymer, Length=5.4mm, Manufacturer_Name=Molex, Manufacturer_Part_Number=78171-0003, Manufacturer Part Number=78171-0003, Mount="Surface Mount", Mouser Price/Stock=https://www.mouser.co.uk/ProductDetail/Molex/78171-0003?qs=rg3U%2F5nEhHfwDfjly946YA%3D%3D, Number of Circuits=3, Number of Contacts=3, Number of Positions=3, Number of Rows=1, Orientation=Vertical, Packaging="Tape and Reel", Pitch=1.2mm, Pricing 1="1=0,40000, 10=0,32100, 100=0,23540, 1000=0,18724 (USD)", Radiation Hardening=No, REACH SVHC=Unknown, RoHS=Yes, RoHS Compliant=Yes, Series=Pico-Ezmate, Supplier 1=Digi-Key, Termination=Solder, Voltage Rating=50V, Voltage Rating (AC)=50V